# Altium PCB CT310高端控制盒基板电路V1.0.PcbDoc (part 8 of 8)
Units mil, origin at the board's own origin, x right, y up, seen from the top; angles counter-clockwise.
Board outline 8162.61 x 6196.81 mil, 2 copper layers (Top Layer, Bottom Layer), stack 65.792 mil thick; 265 components, 178 nets, 926 pads, 298 vias.
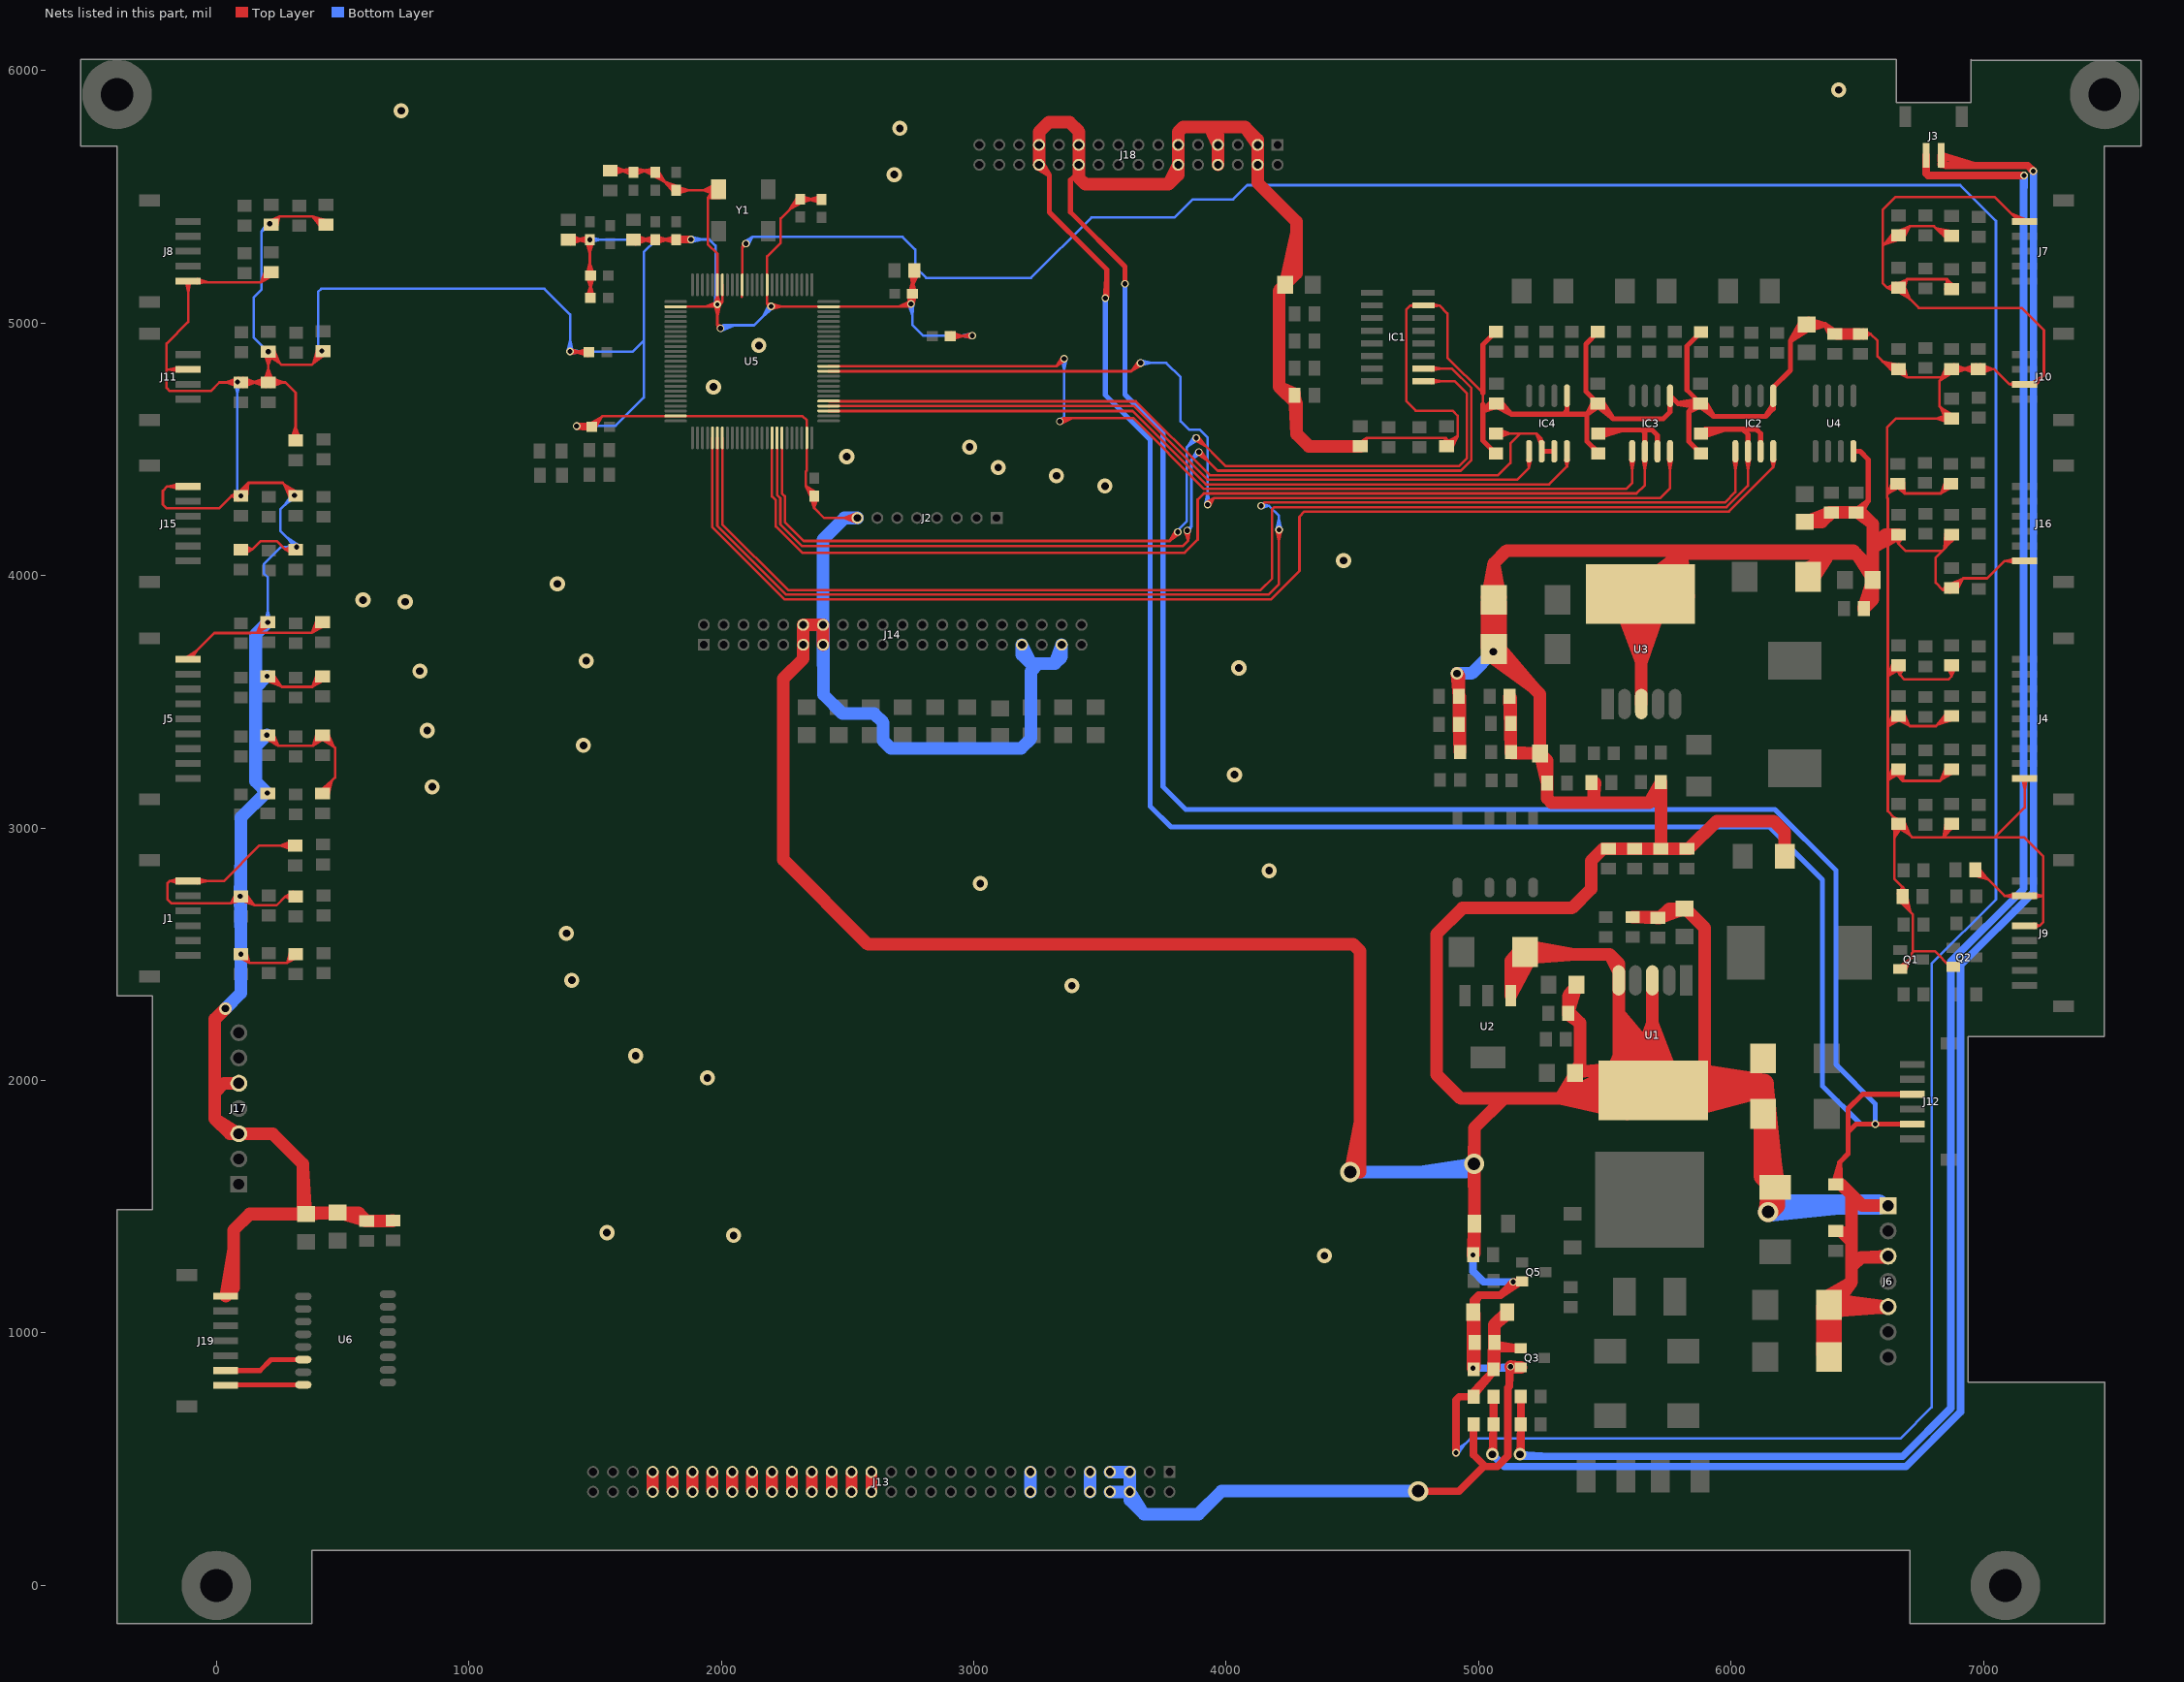
[diagram p8: the nets of this part, all layers, seen from the top]

## Via types
v1: diameter 30, hole 20, Top Layer to Bottom Layer, tented both sides, 226 vias
v2: diameter 60, hole 30, Top Layer to Bottom Layer, tented both sides, 32 vias
v3: diameter 50, hole 30, Top Layer to Bottom Layer, tented both sides, 20 vias
v4: diameter 80, hole 50, Top Layer to Bottom Layer, tented both sides, 10 vias
v5: diameter 50, hole 28, Top Layer to Bottom Layer, tented both sides, 8 vias
v6: diameter 30, hole 16, Top Layer to Bottom Layer, tented both sides, 1 vias
v7: diameter 24, hole 16, Top Layer to Bottom Layer, tented both sides, 1 vias

## Nets (pads, with @x,y where several pads share a name; then routed paths per layer and width w, separated by ;. In a path a pad name is that pad's centre, name@x,y a point inside that pad or via, vN(x,y) a via of type N, cw(c..) or ccw(c..) an arc to the next point about the centre after c; other vN are vias at no path point) (continued)
SGND: (continued)
  Top Layer w50: 68,1328.8 J19.7@36.77,1146.17 ; J17.5@89,1989 30,1989 -6,1953 ; 169.74,1471.02 R1.2@351.24,1471.02 ; 343,1655.06 R1.2@355.17,1471.02 ; C85.2@700,1445.37 C85.2@698,1443.37 ; J14.13@2403.29,3725.69 J14.14@2403.29,3804.43 J14.12@2324.55,3804.43 J14.11@2324.55,3725.69 ; J18.26@3258.48,5626.93 J18.25@3258.48,5705.67 3258.48,5756.48 3297,5795 3380,5795 3417,5758 ; J18.8@3967.15,5626.93 J18.7@3967.15,5705.67 ; C107.2@4270.58,4720.2 4209,4748 ; 4278,5354.59 C112.1@4233.18,5156.23 ; 4351.77,4511.86 C109.2@4525.39,4511.86 ; 4531,1842.29 v4(4491,1637) 4531,1637 4531,2512 4504,2539 2581,2539 2246,2874 2246,3592 2324.55,3670.55 ; C109.2@4531.3,4511.86 4327.14,4511.86 4279,4560 ; D5.1@4978.37,1082.3 D5.1@4983.93,1076.74 ; 4978.72,1025.5 v1(4977.3,860.3) ; D6.1@4983.37,1441.17 4983.37,1618.73 v4(4982,1670) ; 4983.74,1025.39 v1(4977.3,860.3) ; 4983.93,1026.59 v1(4977.3,860.3) ; C72.2@5033.91,3714.95 C70.2@5033.9,3893.58 ; C72.2@5033.9,3718.71 C70.2@5060.02,3903.3 ; C72.2@5033.91,3718.79 C70.2@5060.02,3895.42 ; C70.2@5033.95,3913.67 5060.02,4048.02 ; C72.2@5034.47,3722.59 C70.2@5086.13,3893.58 ; C70.2@5036.91,3872.27 v3(5058,3698) ; C70.2@5036.92,3873.15 v3(5058,3698) ; C72.2@5043.43,3680.87 5218.72,3554.28 ; C72.2@5060.02,3701.13 5218.72,3554.28 ; C70.2@5060.02,3911.17 5060.02,4048.02 ; C72.2@5066.5,3706.5 5243.18,3529.82 C73.2@5243.18,3295.3 ; C72.2@5078.93,3719.23 5218.72,3554.28 ; C70.2@5082.87,3871.52 v3(5058,3698) ; C70.2@5083,3871.47 v3(5058,3698) ; C70.2@5086.08,3913.67 5060.02,4048.02 ; C70.2@5086.13,3883.02 v3(5058,3698) ; C17.2@5122.07,3521.3 C17.2@5128.07,3515.3 ; 5123.37,3477.91 R27.1@5128.07,3304.23 ; 5128.07,3477.85 R27.1@5128.07,3304.23 ; C7.2@5158.66,2507.79 U2.1@5126.85,2335.34 ; C7.2@5158.9,2508.64 U2.1@5126.85,2356.01 ; C7.2@5183.98,2509 5385.96,2498.3 ; C7.2@5184.29,2482.82 5385.96,2498.3 ; C7.2@5187.06,2535 5385.96,2498.3 ; 5195.3,3575.95 v3(5058,3698) ; 5197.39,3569.68 v3(5058,3698) ; 5197.53,3575.47 v3(5058,3698) ; C7.2@5198,2536 5235.7,2498.3 ; 5203.96,3571.7 v3(5058,3698) ; C7.2@5207.45,2489.52 U2.1@5126.85,2356.01 ; C7.2@5208.03,2490.77 U2.1@5126.85,2335.34 ; C73.2@5243.18,3299.23 5243.18,3480.73 ; C74.1@5270.93,3172.39 5270.93,3117.67 ; C4.2@5381.12,2029 5381.12,1950.18 ; C4.2@5381.12,2032.94 5565.85,2050.4 5323.57,1928.3 ; C4.2@5392.41,2052.3 5401.79,2061.67 5401.79,2227.8 ; C6.2@5392.41,2372.3 5355.01,2334.89 ; 5399,1932.3 5381.12,1950.18 ; C75.1@5455.93,3178.3 5455.93,3112.67 ; C75.1@5460.63,3178.09 5455.93,3112.67 ; U3.0@5549.69,3908.6 5644.51,3657.76 ; 5554.63,2186.3 U1.5@5554.63,2361.3 ; U1.0@5584.24,2003.53 5323.57,1928.3 ; U1.0@5588.17,1868.3 5323.57,1928.3 ; U1.0@5594.7,1918.22 5323.57,1928.3 ; U3.0@5598.25,3921.9 5644.51,3657.76 ; U1.0@5599.41,1976.32 5687.96,2229.43 ; U1.0@5601.86,1935.39 5554.63,2265.77 ; U3.3@5644.51,3490.9 5644.51,3922.57 U3.0@5641.17,3925.9 ; U3.3@5644.51,3525.9 5644.51,3700.9 ; U1.0@5648.28,1964.23 5687.96,2229.43 ; U1.0@5650.91,1946.22 5554.63,2265.77 ; U3.0@5665.13,3981.79 5802.33,4087.06 ; U3.0@5684.18,3922.97 5644.51,3657.76 ; 5687.96,2186.3 U1.3@5687.96,2361.3 ; U1.3@5687.96,2396.3 U1.0@5687.96,1964.63 ; U3.0@5701.69,3946.42 5802.33,4087.06 ; U1.0@5709.3,1979.3 5849,1979.3 5896,2026.3 5896,2604.07 ; C14.1@5721.63,2917.67 5721.67,3145.67 ; 5721.67,3004.74 R36.2@5721.67,3178.36 ; 5721.67,3091.29 C14.1@5721.63,2917.67 ; R36.2@5721.67,3182.3 5721.67,3145.67 ; U1.0@5729.4,1981.45 5554.63,2265.77 ; U3.0@5733.06,3910.87 5644.51,3657.76 ; U1.0@5734.22,1965.29 5687.96,2229.43 ; U3.0@5739.6,3925.9 5802.33,4087.06 ; U1.0@5770.09,2010.9 5554.63,2265.77 ; U3.0@5781.41,3915.39 5802.33,4087.06 ; U1.0@5782.78,1978.6 5687.96,2229.43 ; C2.1@5820.23,2680.41 5896,2604.07 ; C13.1@5831.2,2917.67 5943.51,3027.51 ; U3.0@5832.26,3916.73 5802.33,4087.06 ; D7.1@6211.97,2887.3 6211.97,2984.03 ; D7.1@6211.97,2897.14 6211.97,2984.03 ; C8.2@6290.43,4024.64 6376.3,4066.3 ; C8.2@6296.34,3986.34 6376.3,4066.3 ; C8.2@6304.98,4002.87 6376.3,4066.3 ; C8.2@6324.9,3985.88 6376.3,4066.3 ; C19.2@6361.16,1101.62 C20.2@6387.28,912.87 ; C19.2@6361.16,1101.69 C20.2@6387.28,905 ; C19.2@6361.16,1105.22 C20.2@6361.16,914.6 ; C19.2@6361.65,1098.06 C20.2@6413.4,914.6 ; C19.2@6371.83,1140.31 6476.82,1200.84 ; C19.2@6387.28,1119.17 6476.82,1200.84 ; C19.2@6387.51,1085.12 J6.5@6589.42,1100 ; C19.2@6390.43,1137.29 J6.5@6589.42,1100 ; C20.2@6392.13,909.85 C20.2@6396.98,905 ; C19.2@6398.57,1100 J6.5@6617,1100 ; C19.2@6406.91,1101.84 6476.82,1200.84 ; C19.2@6412.91,1098.06 C20.2@6361.16,914.6 ; C19.2@6413.4,1101.62 C20.2@6387.28,912.87 ; C19.2@6413.4,1105.22 C20.2@6413.4,914.6 ; C19.2@6413.4,1101.69 C20.2@6387.28,905 ; C22.1@6414.3,1588.67 6435.37,1588.67 6476.82,1547.22 ; C19.2@6433.28,1129.26 J6.5@6622,1104 ; C19.2@6434.54,1108.65 J6.5@6622,1104 ; C19.2@6438.25,1088.86 J6.5@6622,1104 ; C19.2@6438.33,1100 J6.5@6622,1104 ; C21.1@6439.74,1399.3 6476.82,1362.22 ; C81.1@6501.61,4249.58 6561.02,4203.98 ; C68.1@6525.67,3868.3 6561.02,3903.65 ; J6.3@6617,1300 6515.82,1300 ; J6.3@6622,1304 6515.82,1300 ; J6.1@6622,1504 6520.04,1504 6476.82,1547.22 ; C54.2@6663.3,4161.49 6620.77,4161.49 ; -6,1848 53,1789 ; -6,1848 -6,1953 ; -6,1848 J17.3@89,1789 ; -6,1953 -6,2243 ; -6,2243 v3(36,2285) -6,2243 ; J19.7@36.77,1146.17 68,1177.39 ; J19.7@36.77,1146.17 68,1177.39 ; 53,1789 J17.3@89,1789 ; 53,1789 J17.3@89,1789 ; 68,1177.39 68,1407 132.02,1471.02 R1.2@355.17,1471.02 ; J17.3@89,1789 223,1789 343,1669 343,1483.19 R1.2@355.17,1471.02 ; R1.2@355.17,1471.02 R1.2@360.27,1476.12 ; R1.2@360.27,1476.12 R37.2@481,1476.12 ; R1.2@360.27,1476.12 477.06,1476.12 359.11,1471.02 R37.2@481,1476.12 ; R37.2@481,1476.12 563.25,1476.12 ; R37.2@481,1476.12 C76.2@590.09,1443.37 ; 563.25,1476.12 C76.2@596,1443.37 ; 563.25,1476.12 C76.2@590.09,1443.37 ; 563.25,1476.12 C76.2@590.09,1443.37 ; 563.25,1476.12 484.94,1476.12 C76.2@590.09,1443.37 ; C76.2@596,1443.37 C85.2@698,1443.37 ; C76.2@596,1443.37 694.09,1445.37 601.91,1443.37 C85.2@698,1443.37 ; 2324.55,3670.55 J14.11@2324.55,3725.69 ; 2324.55,3670.55 J14.11@2324.55,3725.69 ; J18.21@3415.96,5705.67 J18.22@3415.96,5626.93 3415.96,5575.04 3442,5549 3772,5549 ; J18.21@3415.96,5705.67 3417,5706.7 3417,5758 ; J18.21@3415.96,5705.67 3417,5758 ; 3772,5549 3809.66,5586.66 ; 3772,5549 J18.12@3809.66,5626.93 ; 3809.66,5586.66 J18.12@3809.66,5626.93 ; 3809.66,5586.66 J18.12@3809.66,5626.93 ; J18.12@3809.66,5626.93 J18.11@3809.66,5705.67 3809.66,5756.66 3829,5776 3934,5776 ; 3934,5776 3967.15,5742.85 ; 3934,5776 4075,5776 ; 3934,5776 J18.7@3967.15,5705.67 ; J18.7@3967.15,5705.67 3967.15,5742.85 ; J18.7@3967.15,5705.67 3967.15,5742.85 ; 4075,5776 4124.63,5726.37 J18.3@4124.63,5705.67 ; 4075,5776 J18.3@4124.63,5705.67 ; J18.3@4124.63,5705.67 J18.4@4124.63,5626.93 4124.63,5555.37 4278,5402 4278,5197.12 ; 4209,4748 4279,4678 ; 4209,4748 4209,5128.12 C112.1@4233.18,5152.3 4278,5197.12 ; C112.1@4233.18,5156.23 4278,5197.12 ; C112.1@4233.18,5156.23 4278,5197.12 ; C107.2@4270.58,4708.39 4279,4678 ; C107.2@4270.58,4708.39 4279,4560 ; C107.2@4270.58,4708.39 4279,4678 ; 4279,4560 4279,4678 ; v3(4914,3612) v3@4922.07,3603.93 ; v3(4914,3612) C18.2@4922.07,3521.3 v3@4922.07,3603.93 ; v3(4914,3612) 4922.07,3527.2 v3@4922.07,3603.93 ; C16.2@4922.07,3416.21 4926.01,3521.3 R28.1@4926.01,3301.28 4922.07,3404.4 4926.01,3305.22 4926.01,3478.84 ; C16.2@4922.07,3416.21 4926.01,3478.84 ; C16.2@4922.07,3416.21 C18.2@4922.07,3515.39 ; C16.2@4922.07,3416.21 C18.2@4922.07,3515.39 ; C18.2@4922.07,3515.39 4926.01,3341.57 C18.2@4922.07,3515.39 ; C18.2@4922.07,3515.39 4926.01,3478.84 ; C18.2@4922.07,3515.39 4926.01,3478.84 ; v1(4977.3,860.3) 4983.93,896.5 D5.1@4978.37,1074.42 ; v1(4977.3,860.3) D5.1@4978.37,1074.42 ; v1(4977.3,860.3) C5.1@4983.93,956.39 ; v1(4977.3,860.3) C5.1@4983.93,956.39 ; v1(4977.93,1309.3) C12.1@4983.37,1314.74 ; v1(4977.93,1309.3) D6.1@4983.37,1433.3 ; v1(4977.93,1309.3) D6.1@4983.37,1433.3 ; v1(4977.93,1309.3) D6.1@4983.37,1425.42 ; v1(4977.93,1309.3) D6.1@4983.37,1425.42 ; D5.1@4978.37,1074.42 4983.93,968.2 D5.1@4983.93,1076.74 ; D5.1@4978.37,1074.42 4983.93,1033.44 R11.1@4979.93,859.54 ; D5.1@4978.37,1074.42 R11.1@4979.93,859.54 ; R11.1@4979.93,859.54 C5.1@4983.93,956.39 ; v4(4982,1670) 4983.37,1812.37 ; v4(4982,1670) 4983.37,1479.98 v4(4982,1670) ; C12.1@4983.37,1314.74 D6.1@4983.37,1433.3 ; C12.1@4983.37,1314.74 D6.1@4983.37,1425.42 ; D6.1@4983.37,1425.42 4977.93,1315.2 D6.1@4983.37,1433.3 ; D6.1@4983.37,1433.3 4983.37,1812.37 ; 4983.37,1812.37 5099.3,1928.3 ; C5.1@4983.93,956.39 4983.93,861.3 D5.1@4983.93,1076.74 ; C70.2@5033.9,3893.58 C72.2@5060.02,3709 ; C70.2@5033.9,3893.58 5085.57,3722.59 v3(5058,3698) ; C70.2@5033.9,3893.58 C72.2@5060.02,3716.87 ; C70.2@5033.9,3893.58 v3(5058,3698) ; C70.2@5033.9,3893.58 v3(5058,3698) ; v3(5058,3698) 5086.13,3714.95 C70.2@5086.13,3893.58 ; v3(5058,3698) 5060.02,3873.11 v3(5058,3698) ; v3(5058,3698) C70.2@5060.02,3903.3 ; v3(5058,3698) 5086.13,3718.71 C70.2@5060.02,3903.3 ; v3(5058,3698) C70.2@5060.02,3903.3 ; v3(5058,3698) 5060.02,3873.25 v3(5058,3698) ; v3(5058,3698) C70.2@5086.13,3893.58 ; v3(5058,3698) C70.2@5060.02,3895.42 ; v3(5058,3698) 5086.13,3718.79 C70.2@5060.02,3895.42 ; v3(5058,3698) C70.2@5060.02,3895.42 ; C72.2@5060.02,3709 C70.2@5060.02,3903.3 ; C72.2@5060.02,3709 C70.2@5086.13,3893.58 ; C72.2@5060.02,3709 C70.2@5060.02,3895.42 ; C72.2@5060.02,3716.87 C70.2@5060.02,3903.3 ; C72.2@5060.02,3716.87 C70.2@5086.13,3893.58 ; C72.2@5060.02,3716.87 C70.2@5060.02,3895.42 ; C70.2@5060.02,3903.3 5060.02,4048.02 ; 5060.02,4048.02 5111,4099 6483.59,4099 6495.54,4087.06 ; 5099.3,1928.3 5658.3,1928.3 U1.0@5691.3,1961.3 ; 5099.3,1928.3 4928.7,1928.3 4833,2024 4833,2580 4936,2683 5370,2683 5445.3,2758.3 5445.3,2869.74 5493.22,2917.67 C11.1@5514.3,2917.67 ; v1(5126.3,866.3) v1@5128.8,863.8 ; v1(5126.3,866.3) Q3.2@5163.11,863.8 ; v1(5126.3,866.3) Q3.2@5167.05,863.8 v1@5128.8,863.8 ; v1(5126.3,866.3) Q3.2@5163.11,863.8 ; v1(5126.3,866.3) Q3.2@5163.11,863.8 ; U2.1@5126.85,2335.34 5126.85,2474.85 ; U2.1@5126.85,2335.34 C7.2@5183.98,2501.13 ; U2.1@5126.85,2356.01 5126.85,2474.85 ; U2.1@5126.85,2356.01 C7.2@5183.98,2501.13 ; 5126.85,2474.85 5189.73,2475.58 5126.85,2474.85 ; 5126.85,2474.85 5168.33,2522.11 5126.85,2474.85 ; 5126.85,2474.85 C7.2@5183.98,2501.13 ; 5126.85,2474.85 C7.2@5183.98,2501.13 ; C15.2@5127.07,3407.39 R27.1@5128.07,3300.3 ; C15.2@5127.07,3407.39 5128.07,3341.2 ; C15.2@5127.07,3407.39 R27.1@5128.07,3304.23 ; C15.2@5127.07,3407.39 R27.1@5128.07,3304.23 ; R27.1@5128.07,3300.3 C17.2@5128.07,3515.3 ; R27.1@5128.07,3300.3 5133.07,3295.3 C73.2@5243.18,3295.3 ; R27.1@5128.07,3300.3 C73.2@5243.18,3295.3 ; R27.1@5128.07,3304.23 5128.07,3341.2 ; R27.1@5128.07,3304.23 5128.07,3341.2 ; 5128.07,3341.2 5122.07,3515.39 5127.07,3419.2 C17.2@5128.07,3515.3 ; v1@5128.8,863.8 Q3.2@5163.11,863.8 ; v1@5128.8,863.8 Q3.2@5163.11,863.8 ; C7.2@5183.98,2501.13 5235.7,2498.3 ; C7.2@5183.98,2501.13 5235.7,2498.3 ; 5235.7,2498.3 5519.3,2498.3 ; 5235.7,2498.3 5191.98,2526.06 5235.7,2498.3 ; 5235.7,2498.3 5189.21,2475.47 5235.7,2498.3 ; C73.2@5243.18,3295.3 C73.2@5270.93,3267.55 ; 5270.93,3117.67 C74.1@5270.93,3178.3 ; 5270.93,3117.67 5289.3,3099.3 5469.3,3099.3 ; C74.1@5270.93,3178.3 C73.2@5270.93,3267.55 ; C74.1@5270.93,3178.3 5243.18,3291.36 5270.93,3184.2 C73.2@5270.93,3267.55 ; 5323.57,1928.3 U1.0@5592.87,1961.3 ; 5323.57,1928.3 5381.12,2025.06 5381.12,1950.18 ; C9.1@5355.01,2266.3 5355.01,2334.89 ; C9.1@5355.01,2266.3 5363.3,2266.3 5401.79,2227.8 ; C9.1@5355.01,2266.3 C6.2@5387.12,2375.06 ; 5355.01,2334.89 5355.01,2272.2 C6.2@5387.12,2375.06 ; 5355.01,2334.89 C6.2@5387.12,2375.06 ; 5355.01,2334.89 C6.2@5387.12,2375.06 ; 5355.01,2334.89 C6.2@5387.12,2375.06 ; 5401.79,2227.8 5355.01,2260.39 5401.79,2227.8 ; 5455.93,3112.67 5469.3,3099.3 ; 5469.3,3099.3 5675.3,3099.3 ; C11.1@5514.3,2917.67 C10.1@5617.96,2917.67 ; C11.1@5514.3,2917.67 5612.06,2917.67 5520.2,2917.67 C10.1@5617.96,2917.67 ; 5519.3,2498.3 5554.63,2462.96 ; 5519.3,2498.3 U1.5@5554.63,2431.3 ; 5554.63,2097.96 U1.5@5554.63,2396.3 5554.63,2462.96 ; 5554.63,2097.96 U1.0@5687.96,1964.63 ; 5554.63,2097.96 5499.94,1967.01 5554.63,2097.96 ; 5554.63,2097.96 5669.34,2014.41 5554.63,2097.96 ; 5554.63,2097.96 5550.07,1956.12 5554.63,2097.96 ; 5554.63,2097.96 5632.14,1979.08 5554.63,2097.96 ; 5554.63,2097.96 U1.0@5592.87,1961.3 ; 5554.63,2097.96 U1.0@5592.87,1961.3 ; 5554.63,2265.77 U1.0@5691.3,1961.3 ; U1.5@5554.63,2431.3 5554.63,2462.96 ; U1.5@5554.63,2431.3 5554.63,2462.96 ; C10.1@5617.96,2917.67 C14.1@5721.63,2917.67 ; C10.1@5617.96,2917.67 5715.72,2917.67 5623.87,2917.67 C14.1@5721.63,2917.67 ; U3.0@5641.17,3925.9 5802.33,4087.06 ; U3.0@5641.17,3925.9 5644.51,3657.76 ; 5675.3,3099.3 5721.67,3145.67 ; 5675.3,3099.3 R36.2@5721.67,3178.36 ; U1.0@5687.96,1964.63 U1.0@5691.3,1961.3 ; 5687.96,2229.43 U1.0@5691.3,1961.3 ; C3.1@5716.2,2643.67 5755.27,2680.41 ; C3.1@5716.2,2643.67 C2.1@5816.29,2680.41 ; C3.1@5716.2,2643.67 5755.27,2680.41 ; C3.1@5716.2,2643.67 5812.36,2680.41 5755.27,2680.41 ; 5721.67,3145.67 R36.2@5721.67,3178.36 ; 5721.67,3145.67 R36.2@5721.67,3178.36 ; 5721.67,3145.67 R36.2@5721.67,3178.36 ; C3.1@5721.8,2646.95 5755.27,2680.41 ; C3.1@5721.8,2646.95 R3.1@5609.6,2646.95 5704.39,2643.67 5613.53,2646.95 C3.1@5721.8,2646.95 ; 5755.27,2680.41 C2.1@5816.29,2680.41 ; 5802.33,4087.06 6495.54,4087.06 ; C2.1@5816.29,2680.41 5819.66,2680.41 5896,2604.07 ; C13.1@5833.67,2917.67 C14.1@5721.63,2917.67 5819.39,2917.67 5727.53,2917.67 C13.1@5833.67,2917.67 ; C13.1@5833.67,2917.67 5943.51,3027.51 ; 5943.51,3027.51 6168.49,3027.51 6211.97,2984.03 ; 6359.3,4212.18 C79.1@6291.7,4212.18 C80.1@6390.8,4249.58 ; 6359.3,4212.18 C80.1@6396.7,4249.58 ; 6359.3,4212.18 6295.64,4212.18 C80.1@6390.8,4249.58 ; 6359.3,4212.18 C80.1@6390.8,4249.58 ; 6359.3,4212.18 C80.1@6390.8,4249.58 ; 6359.3,4212.18 C80.1@6390.8,4249.58 ; C20.2@6361.16,914.6 C19.2@6387.28,1111.3 ; C20.2@6361.16,914.6 C19.2@6387.28,1103.42 ; C20.2@6387.28,905 C19.2@6387.28,1111.3 ; C20.2@6387.28,905 C19.2@6387.28,1103.42 ; C20.2@6387.28,912.87 C19.2@6387.28,1111.3 ; C20.2@6387.28,912.87 C19.2@6387.28,1103.42 ; C19.2@6387.28,1103.42 C20.2@6413.4,914.6 ; C19.2@6387.28,1111.3 6476.82,1200.84 ; C19.2@6387.28,1111.3 C20.2@6413.4,914.6 ; C19.2@6387.28,1111.3 J6.5@6589.42,1100 ; C80.1@6396.7,4249.58 C81.1@6495.7,4249.58 ; C80.1@6396.7,4249.58 6489.8,4249.58 6402.61,4249.58 C81.1@6495.7,4249.58 ; 6476.82,1200.84 6476.82,1261 ; 6476.82,1261 6476.82,1362.22 ; 6476.82,1261 6515.82,1300 ; 6476.82,1362.22 6476.82,1547.22 ; 6495.54,4087.06 6561.02,4021.57 ; 6495.54,4087.06 C53.2@6561.02,3985.35 ; C81.1@6495.7,4249.58 6497.8,4249.58 6515.42,4249.58 6561.02,4203.98 ; C68.1@6525.67,3874.2 C53.2@6561.02,3981.42 ; C68.1@6525.67,3874.2 6561.02,3903.65 ; C68.1@6525.67,3874.2 6561.02,3903.65 ; C68.1@6525.67,3874.2 6561.02,3977.48 6561.02,3903.65 ; C68.1@6525.67,3874.2 6561.02,3903.65 ; 6561.02,3903.65 C53.2@6561.02,3981.42 ; C53.2@6561.02,3981.42 6561.02,4021.57 ; C53.2@6561.02,3985.35 6561.02,4021.57 ; C53.2@6561.02,3985.35 6561.02,4021.57 ; C53.2@6561.02,3985.35 6561.02,4112.02 ; C53.2@6561.02,3985.35 6561.02,4021.57 ; 6561.02,4021.57 6561.02,4112.02 ; 6561.02,4112.02 6610.49,4161.49 ; 6561.02,4112.02 6561.02,4203.98 ; 6561.02,4112.02 C54.2@6657.39,4161.49 ; 6610.49,4161.49 6620.77,4161.49 ; 6610.49,4161.49 C54.2@6657.39,4161.49 ; 6610.49,4161.49 C54.2@6657.39,4161.49 ; 6620.77,4161.49 C54.2@6657.39,4161.49 ; 6620.77,4161.49 C54.2@6657.39,4161.49